# KiCad board ev17.kicad_pcb (continued)
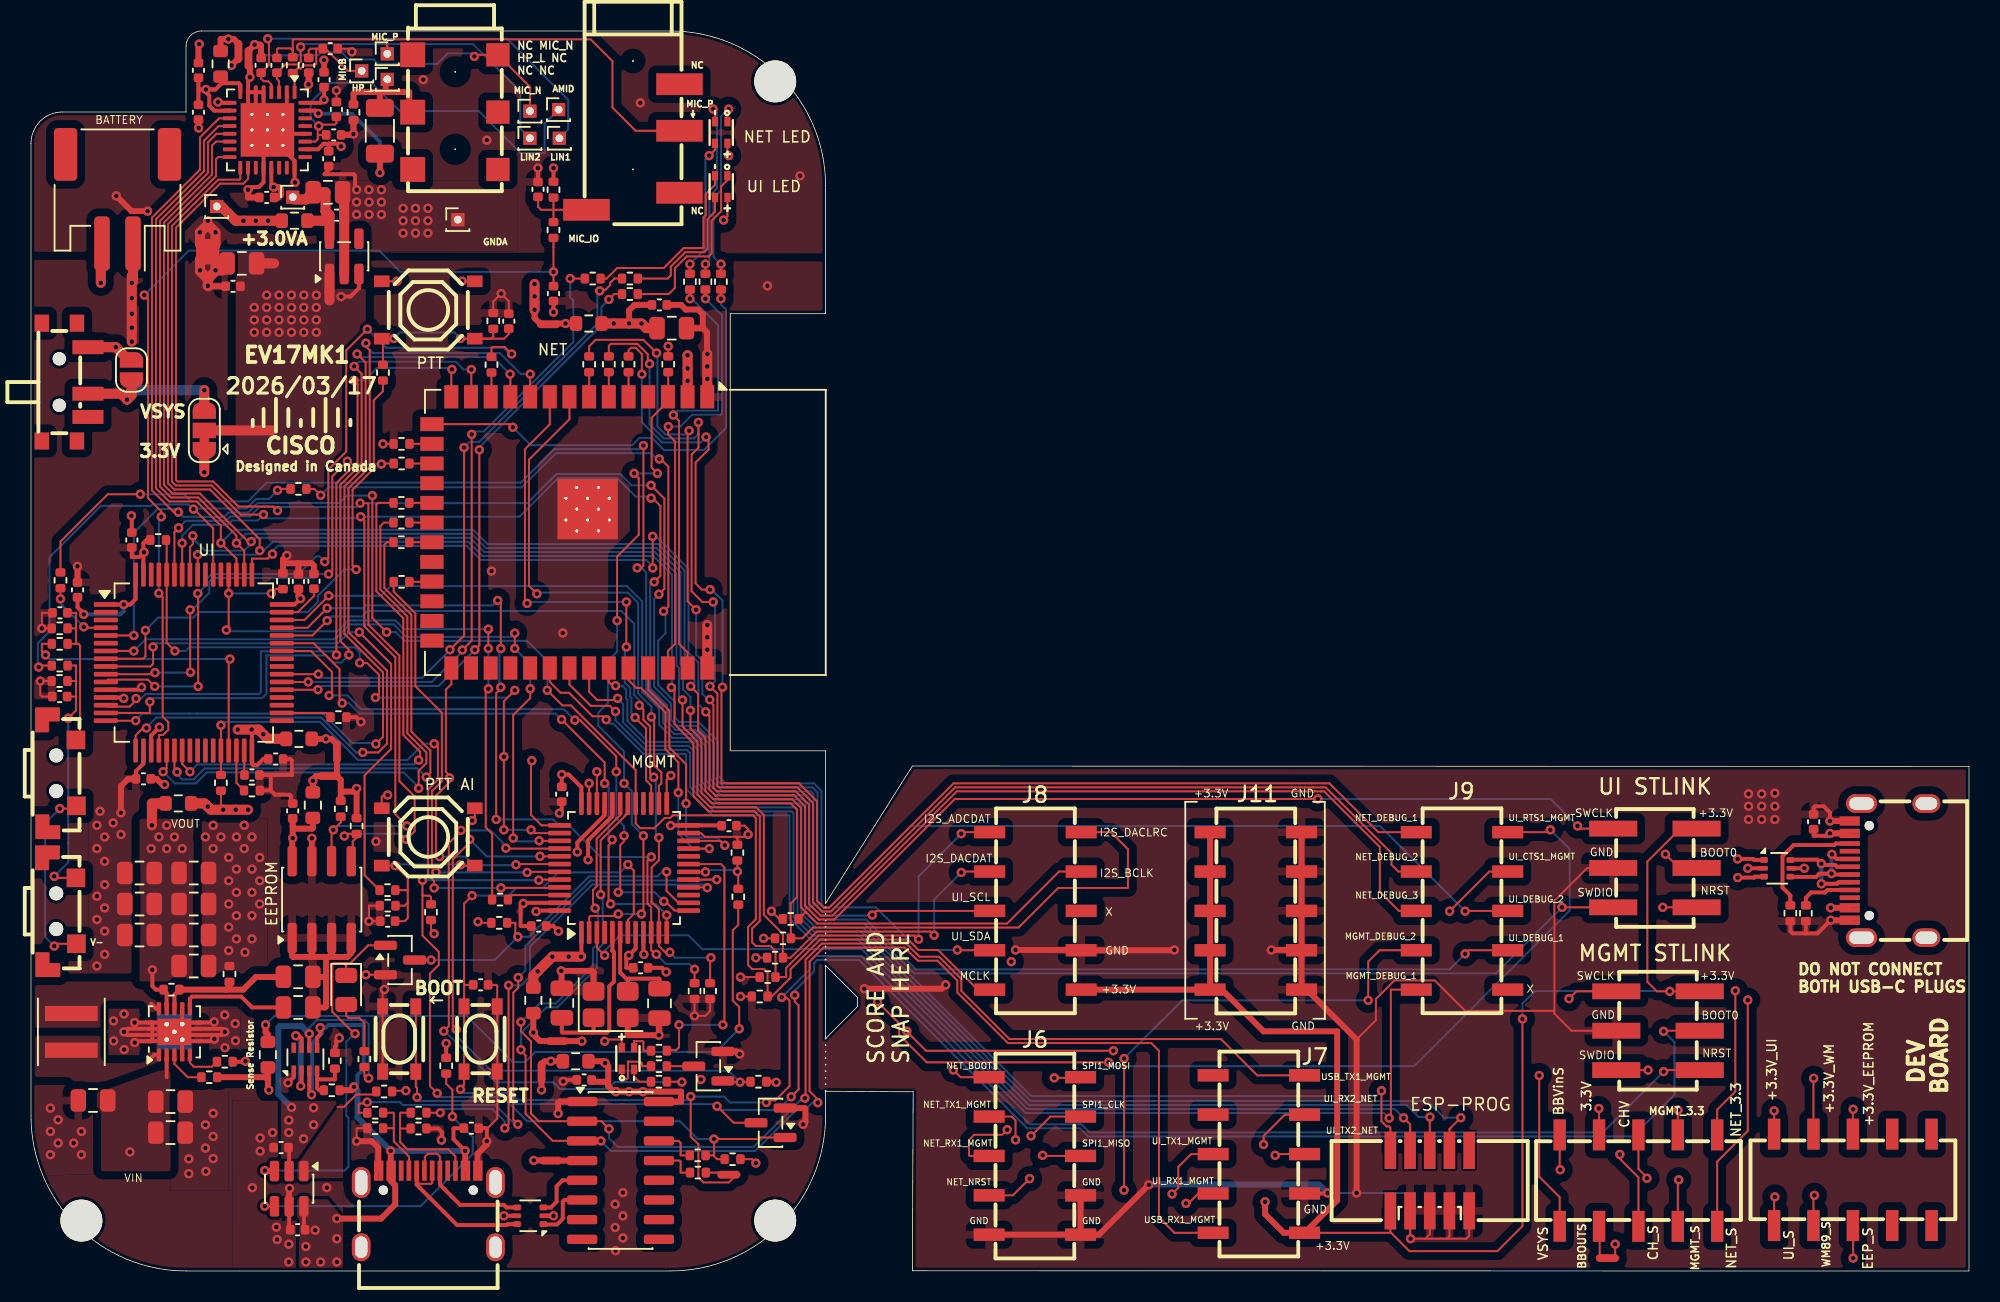
[diagram p0: board, top side]
## Library data of the parts (continued)
U10 = -: Datasheet: https://www.st.com/resource/en/datasheet/stm32f405rg.pdf; Description: STMicroelectronics Arm Cortex-M4 MCU, 1024KB flash, 192KB RAM, 168 MHz, 1.8-3.6V, 51 GPIO, LQFP64; JLCPCB Part #: C15742; ki_fp_filters: LQFP*10x10mm*P0.5mm*
U12 = -: Datasheet: kicad-embed://xc6227.pdf; JLCPCB Part #: C484285; FT Rotation Offset: 90
Y1 = -: Description: Four pin crystal, GND on pins 2 and 4; JLCPCB Part #: C13738; ki_fp_filters: Crystal*

## Footprints (pads in the part's own frame, mm; a bottom-side part is the same pattern mirrored in y, then rotated)
AUDIO-SMD_PJ-242D-SMT
  round 0.1 hole 1.6 unplated: (-2.6,0) (2.4,0)
  rect 1.5x1.5 smd: 2(-3.7,2.75) 4(0,2.75) 5(3.7,2.75)
  rect 1.6x1.6 smd: 3(-3.7,-2.75) 6(0,-2.75) 7(3.7,-2.75)
AUDIO-SMD_PJ-320D
  round 0.1 hole 1.2 unplated: (0,5.55) (0,-1.45)
  rect 3x1.4 smd: R1(3,1.05) R2(3,4.05) S(-3,-4.05) T(3,-2.95)
C_0402_1005Metric
  rrect 0.56x0.62 smd: 1(-0.48,0) 2(0.48,0)
C_0805_2012Metric
  rrect 1x1.45 smd: 1(-0.95,0) 2(0.95,0)
C_1206_3216Metric
  rrect 1.15x1.8 smd: 1(-1.475,0) 2(1.475,0)
Crystal_SMD_3225-4Pin_3.2x2.5mm
  rrect 1.4x1.2 smd: 1(-1.1,-0.85) 2(1.1,-0.85) 3(1.1,0.85) 4(-1.1,0.85)
D_0805_2012Metric
  rrect 0.975x1.4 smd: 1(-0.938,0) 2(0.938,0)
ESP32-S3-WROOM-1
  rect 0.9x0.9 smd: (-2.9,-1.06) (-2.9,-2.46) (-2.9,-3.86) (-1.5,-1.06) (-1.5,-2.46) (-1.5,-3.86) (-0.1,-1.06) (-0.1,-2.46) (-0.1,-3.86)
  rect 1.5x0.9 smd: 1(-8.75,5.26) 2(-8.75,3.99) 3(-8.75,2.72) 4(-8.75,1.45) 5(-8.75,0.18) 6(-8.75,-1.09) 7(-8.75,-2.36) 8(-8.75,-3.63) 9(-8.75,-4.9) 10(-8.75,-6.17) 11(-8.75,-7.44) 12(-8.75,-8.71) 13(-8.75,-9.98) 14(-8.75,-11.25) 27(8.75,-11.25) 28(8.75,-9.98) 29(8.75,-8.71) 30(8.75,-7.44) 31(8.75,-6.17) 32(8.75,-4.9) 33(8.75,-3.63) 34(8.75,-2.36) 35(8.75,-1.09) 36(8.75,0.18) 37(8.75,1.45) 38(8.75,2.72) 39(8.75,3.99) 40(8.75,5.26)
  rect 0.9x1.5 smd: 15(-6.985,-12.5) 16(-5.715,-12.5) 17(-4.445,-12.5) 18(-3.175,-12.5) 19(-1.905,-12.5) 20(-0.635,-12.5) 21(0.635,-12.5) 22(1.905,-12.5) 23(3.175,-12.5) 24(4.445,-12.5) 25(5.715,-12.5) 26(6.985,-12.5)
  round 0.6 hole 0.2: 41(-2.9,-1.76) 41(-2.9,-3.16) 41(-2.2,-1.06) 41(-2.2,-2.46) 41(-2.2,-3.86) 41(-1.5,-1.76) 41(-1.5,-3.16) 41(-0.8,-1.06) 41(-0.8,-2.46) 41(-0.8,-3.86) 41(-0.1,-1.76) 41(-0.1,-3.16)
  rect 3.9x3.9 smd: 41(-1.5,-2.46)
HDR-SMD_6P-P2.54-V-M-R2-C3-LS7.5-2
  rect 1.02x3.1 smd: 1(-2.54,-2.69) 2(-2.54,2.69) 3(0,-2.69) 4(0,2.69) 5(2.54,-2.69) 6(2.54,2.69)
HDR-SMD_10P-P2.54-V-F-R2-C5-LS7.1-1
  rect 0.8x2 smd: 1(-5.08,-2.95) 2(-2.54,-2.95) 3(0,-2.95) 4(2.54,-2.95) 5(5.08,-2.95) 6(5.08,2.95) 7(2.54,2.95) 8(0,2.95) 9(-2.54,2.95) 10(-5.08,2.95)
IDC-SMD_10P-P1.27_X1270WVS-2X05B-6TV01
  rect 0.75x2.4 smd: 1(-2.54,-1.95) 2(-2.54,1.95) 3(-1.27,-1.95) 4(-1.27,1.95) 5(0,-1.95) 6(0,1.95) 7(1.27,-1.95) 8(1.27,1.95) 9(2.54,-1.95) 10(2.54,1.95)
JST_PH_S2B-PH-SM4-TB_1x02-1MP_P2.00mm_Horizontal
  rrect 1x3.5 smd: 1(-1,2.85) 2(1,2.85)
  rrect 1.5x3.4 smd: MP(-3.35,-2.9) MP(3.35,-2.9)
KEY-SMD_4P-L4.2-W3.2-P2.20-LS4.6
  rect 1.05x0.7 smd: 1(-2.1,1.07) 2(2.1,1.07) 3(-2.1,-1.07) 4(2.1,-1.07)
L_Coilcraft_XxL4020
  rect 0.98x3.4 smd: 1(-1.185,0) 2(1.185,0)
LED-ARRAY-SMD_4P-L1.6-W1.5-TL_NH-B1515RGBA
  rect 0.6x0.4 smd: 1(-0.7,0.4) 2(0.7,0.4) 3(0.7,-0.4) 4(-0.7,-0.4)
LQFP-48_7x7mm_P0.5mm
  rrect 1.475x0.3 smd: 1(-4.162,2.75) 2(-4.162,2.25) 3(-4.162,1.75) 4(-4.162,1.25) 5(-4.162,0.75) 6(-4.162,0.25) 7(-4.162,-0.25) 8(-4.162,-0.75) 9(-4.162,-1.25) 10(-4.162,-1.75) 11(-4.162,-2.25) 12(-4.162,-2.75) 25(4.162,-2.75) 26(4.162,-2.25) 27(4.162,-1.75) 28(4.162,-1.25) 29(4.162,-0.75) 30(4.162,-0.25) 31(4.162,0.25) 32(4.162,0.75) 33(4.162,1.25) 34(4.162,1.75) 35(4.162,2.25) 36(4.162,2.75)
  rrect 0.3x1.475 smd: 13(-2.75,-4.162) 14(-2.25,-4.162) 15(-1.75,-4.162) 16(-1.25,-4.162) 17(-0.75,-4.162) 18(-0.25,-4.162) 19(0.25,-4.162) 20(0.75,-4.162) 21(1.25,-4.162) 22(1.75,-4.162) 23(2.25,-4.162) 24(2.75,-4.162) 37(2.75,4.162) 38(2.25,4.162) 39(1.75,4.162) 40(1.25,4.162) 41(0.75,4.162) 42(0.25,4.162) 43(-0.25,4.162) 44(-0.75,4.162) 45(-1.25,4.162) 46(-1.75,4.162) 47(-2.25,4.162) 48(-2.75,4.162)
LQFP-64_10x10mm_P0.5mm
  rrect 1.55x0.3 smd: 1(-5.675,3.75) 2(-5.675,3.25) 3(-5.675,2.75) 4(-5.675,2.25) 5(-5.675,1.75) 6(-5.675,1.25) 7(-5.675,0.75) 8(-5.675,0.25) 9(-5.675,-0.25) 10(-5.675,-0.75) 11(-5.675,-1.25) 12(-5.675,-1.75) 13(-5.675,-2.25) 14(-5.675,-2.75) 15(-5.675,-3.25) 16(-5.675,-3.75) 33(5.675,-3.75) 34(5.675,-3.25) 35(5.675,-2.75) 36(5.675,-2.25) 37(5.675,-1.75) 38(5.675,-1.25) 39(5.675,-0.75) 40(5.675,-0.25) 41(5.675,0.25) 42(5.675,0.75) 43(5.675,1.25) 44(5.675,1.75) 45(5.675,2.25) 46(5.675,2.75) 47(5.675,3.25) 48(5.675,3.75)
  rrect 0.3x1.55 smd: 17(-3.75,-5.675) 18(-3.25,-5.675) 19(-2.75,-5.675) 20(-2.25,-5.675) 21(-1.75,-5.675) 22(-1.25,-5.675) 23(-0.75,-5.675) 24(-0.25,-5.675) 25(0.25,-5.675) 26(0.75,-5.675) 27(1.25,-5.675) 28(1.75,-5.675) 29(2.25,-5.675) 30(2.75,-5.675) 31(3.25,-5.675) 32(3.75,-5.675) 49(3.75,5.675) 50(3.25,5.675) 51(2.75,5.675) 52(2.25,5.675) 53(1.75,5.675) 54(1.25,5.675) 55(0.75,5.675) 56(0.25,5.675) 57(-0.25,5.675) 58(-0.75,5.675) 59(-1.25,5.675) 60(-1.75,5.675) 61(-2.25,5.675) 62(-2.75,5.675) 63(-3.25,5.675) 64(-3.75,5.675)
MountingHole_2.7mm_M2.5
  round 2.7 hole 2.7 unplated: (0,0)
NetTie-2_SMD_Pad0.5mm
  round 0.5 smd: 1(-0.5,0) 2(0.5,0)
NetTie-4_SMD_Pad0.5mm
  round 0.5 smd: 1(-0.5,0.5) 2(0.5,0.5) 3(-0.5,-0.5) 4(0.5,-0.5)
PinHole_1.00mm
  rect 0.85x0.85 hole 0.5: 1(0,0)
QFN-32-1EP_5x5mm_P0.5mm_EP3.45x3.45mm_ThermalVias
  rrect 0.93x0.93 smd: (-1.15,1.15) (-1.15,0) (-1.15,-1.15) (0,1.15) (0,0) (0,-1.15) (1.15,1.15) (1.15,0) (1.15,-1.15)
  rrect 0.875x0.25 smd: 1(-2.438,1.75) 2(-2.438,1.25) 3(-2.438,0.75) 4(-2.438,0.25) 5(-2.438,-0.25) 6(-2.438,-0.75) 7(-2.438,-1.25) 8(-2.438,-1.75) 17(2.438,-1.75) 18(2.438,-1.25) 19(2.438,-0.75) 20(2.438,-0.25) 21(2.438,0.25) 22(2.438,0.75) 23(2.438,1.25) 24(2.438,1.75)
  rrect 0.25x0.875 smd: 9(-1.75,-2.438) 10(-1.25,-2.438) 11(-0.75,-2.438) 12(-0.25,-2.438) 13(0.25,-2.438) 14(0.75,-2.438) 15(1.25,-2.438) 16(1.75,-2.438) 25(1.75,2.438) 26(1.25,2.438) 27(0.75,2.438) 28(0.25,2.438) 29(-0.25,2.438) 30(-0.75,2.438) 31(-1.25,2.438) 32(-1.75,2.438)
  round 0.5 hole 0.2: 33(-1,1) 33(-1,0) 33(-1,-1) 33(0,1) 33(0,0) 33(0,-1) 33(1,1) 33(1,0) 33(1,-1)
  rect 2.5x2.5 smd far side: 33(0,0)
  rect 3.45x3.45 smd: 33(0,0)
R_0402_1005Metric
  rrect 0.54x0.64 smd: 1(-0.51,0) 2(0.51,0)
R_0603_1608Metric
  rrect 0.8x0.95 smd: 1(-0.825,0) 2(0.825,0)
SOIC-8_3.9x4.9mm_P1.27mm
  rrect 1.95x0.6 smd: 1(-2.475,1.905) 2(-2.475,0.635) 3(-2.475,-0.635) 4(-2.475,-1.905) 5(2.475,-1.905) 6(2.475,-0.635) 7(2.475,0.635) 8(2.475,1.905)
SOIC-16_3.9x9.9mm_P1.27mm
  rrect 1.95x0.6 smd: 1(-2.475,4.445) 2(-2.475,3.175) 3(-2.475,1.905) 4(-2.475,0.635) 5(-2.475,-0.635) 6(-2.475,-1.905) 7(-2.475,-3.175) 8(-2.475,-4.445) 9(2.475,-4.445) 10(2.475,-3.175) 11(2.475,-1.905) 12(2.475,-0.635) 13(2.475,0.635) 14(2.475,1.905) 15(2.475,3.175) 16(2.475,4.445)
SolderJumper-2_P1.3mm_Open_RoundedPad1.0x1.5mm
  custom 1x1.5 smd: 1(-0.65,0) 2(0.65,0)
SolderJumper-3_P1.3mm_Bridged12_RoundedPad1.0x1.5mm
  custom 1.05x1.5 smd: 1(-1.3,0) 3(1.3,0)
  rect 1x1.5 smd: 2(0,0)
SOT-23
  rrect 1.475x0.6 smd: 1(-0.938,0.95) 2(-0.938,-0.95) 3(0.938,0)
SOT-23-5
  rrect 1.325x0.6 smd: 1(-1.137,0.95) 2(-1.137,0) 3(-1.137,-0.95) 4(1.137,-0.95) 5(1.137,0.95)
SOT-23-6
  rrect 1.325x0.6 smd: 1(-1.137,0.95) 2(-1.137,0) 3(-1.137,-0.95) 4(1.137,-0.95) 5(1.137,0) 6(1.137,0.95)
SOT-583-8
  rrect 0.67x0.3 smd: 1(-0.74,0.75) 2(-0.74,0.25) 3(-0.74,-0.25) 4(-0.74,-0.75) 5(0.74,-0.75) 6(0.74,-0.25) 7(0.74,0.25) 8(0.74,0.75)
SOT-666
  rrect 0.5x0.375 smd: 1(-0.85,0.537) 3(-0.85,-0.537) 4(0.85,-0.537) 6(0.85,0.537)
  rrect 0.65x0.3 smd: 2(-0.925,0) 5(0.925,0)
SW-SMD_4P-L5.1-W5.1-P3.70-LS6.5-TL_H1.5
  rect 1x0.75 smd: 1(-3,1.85) 2(3,1.85) 3(-3,-1.85) 4(3,-1.85)
SW-SMD_MK-12C02-G020
  round 0.85 hole 0.85 unplated: (-1.5,-0.36) (1.5,-0.36)
  rect 0.9x2 smd: 1(-2.25,1.49) 2(0.75,1.49) 3(2.25,1.49)
  rect 1.1x0.93 smd: 4(3.8,0.78) 5(3.8,-1.49) 6(-3.8,-1.49) 7(-3.8,0.78)
SW-SMD_SHOU_TS36CA-0.6
  round 0.9 hole 0.9 unplated: (-1.15,-0.36) (1.15,-0.36)
  rect 1.2x1.2 smd: 1(2.1,0.94) 2(-2.15,0.91)
  custom 1.61x1.6 smd: 3(-3.45,-0.94)
  custom 1.6x1.61 smd: 4(3.45,-0.91)
Texas_S-PWSON-N10_ThermalVias
  rect 0.28x0.28 smd: 1(-1.76,1) 2(-1.76,0.5) 3(-1.76,0) 4(-1.76,-0.5) 5(-1.76,-1) 6(1.76,-1) 7(1.76,-0.5) 8(1.76,0) 9(1.76,0.5) 10(1.76,1)
  oval 0.85x0.28 smd: 1(-1.475,1) 2(-1.475,0.5) 3(-1.475,0) 4(-1.475,-0.5) 5(-1.475,-1) 6(1.475,-1) 7(1.475,-0.5) 8(1.475,0) 9(1.475,0.5) 10(1.475,1)
  rect 0.23x0.6 smd: 11(-0.6,1.425) 11(-0.6,-1.425) 11(-0.2,1.425) 11(-0.2,-1.425) 11(0.2,1.425) 11(0.2,-1.425) 11(0.6,1.425) 11(0.6,-1.425)
  rect 0.25x0.7 smd: 11(-0.6,1.425) 11(-0.6,-1.425) 11(-0.2,1.425) 11(-0.2,-1.425) 11(0.2,1.425) 11(0.2,-1.425) 11(0.6,1.425) 11(0.6,-1.425)
  round 0.6 hole 0.3: 11(-0.5,0.5) 11(-0.5,-0.5) 11(0,0) 11(0.5,0.5) 11(0.5,-0.5)
  rect 0.65x0.9 smd: 11(-0.435,0.56) 11(-0.435,-0.56) 11(0.435,0.56) 11(0.435,-0.56)
  rect 2.3x2.3 smd far side: 11(-0.001,0)
  rect 1.7x2.15 smd: 11(0,0)
USB-C_SMD-TYPE-C-31-M-12
  round 0.6 hole 0.75 unplated: (-2.9,1.21) (2.9,1.21)
  rect 0.3x1.3 smd: A1(-3.35,2.47) A4(-2.55,2.47) A5(-1.25,2.47) A6(-0.25,2.47) A7(0.25,2.47) A8(1.25,2.47) A9(2.55,2.47) A12(3.35,2.47) B1(3.05,2.47) B4(2.25,2.47) B5(1.75,2.47) B6(0.75,2.47) B7(-0.75,2.47) B8(-1.75,2.47) B9(-2.25,2.47) B12(-3.05,2.47)
  oval 1.2x2 hole 0.8x1.6: S1(-4.33,1.71) S1(4.33,1.71)
  oval 1.2x1.8 hole 0.8x1.4: S1(-4.33,-2.47) S1(4.33,-2.47)

## Nets
+3.0VA: C25.2 C26.1 C28.1 J19.1 R36.2 R52.2 U6.21 U6.26 U6.32
+3.3V: CN1.1 D2.2 D3.2 D5.2 J4.5 J5.5 J7.1 J8.1 J10.9 J11.1 J11.2 J11.3 J11.4 J11.5 JP3.1 NT5.1 NT6.1 NT7.1 NT8.1 NT9.1 NT10.1 R3.2 R16.1 R19.1 R22.2 R25.2 R41.1 R48.2 R75.2 SW4.1 SW4.2 SW5.1 SW5.2 SW6.1 SW7.1
+3.3V_CH340C: C13.1 J10.8 NT2.2 R80.2 U4.16
+3.3V_EEPROM: C38.2 J20.8 R79.2 U8.8
+3.3V_Mgmt: C1.2 C6.2 C8.2 C9.2 J10.7 R77.2 U3.1 U3.9 U3.24 U3.36 U3.48
+3.3V_Net: C51.1 C52.1 J10.6 R76.2 U7.2
+3.3V_UI: C39.1 C40.1 C41.1 C42.1 C43.1 J20.10 R78.2 U10.1 U10.13 U10.19 U10.32 U10.48 U10.64
+3.3V_WM8960: C21.2 C23.2 J20.9 R63.2 U6.8 U6.10
GND: C1.1 C2.1 C3.1 C4.2 C5.2 C6.1 C7.2 C8.1 C9.1 C11.2 C12.2 C13.2 C14.2 C15.2 C16.2 C17.2 C19.2 C20.2 C21.1 C22.2 C23.1 C24.2 C27.2 C29.2 C30.2 C31.2 C35.2 C38.1 C39.2 C40.2 C41.2 C42.2 C43.2 C44.1 C45.1 C46.2 C47.2 C49.2 C50.2 C51.2 C52.2 C53.2 C56.2 CN1.3 CN1.5 CN1.7 CN1.9 J1.A1 J1.A12 J1.B1 J1.B12 J2.1 J4.4 J5.4 J6.5 J6.6 J6.7 J7.2 J8.2 J11.6 J11.7 J11.8 J11.9 J11.10 J22.A1 J22.A12 J22.B1 J22.B12 NT1.1 NT1.3 Q1.2 Q2.2 Q3.2 R1.2 R2.1 R6.2 R7.1 R8.1 R13.2 R23.1 R27.1 R29.2 R30.2 R37.1 R38.1 R39.1 R42.1 R43.1 R47.1 R54.1 R55.2 R61.1 R62.1 R64.2 R65.1 R66.2 R67.2 R68.2 R69.2 SW2.1 SW2.2 SW3.3 SW3.4 U1.5 U2.2 U3.8 U3.23 U3.35 U3.47 U4.1 U5.4 U5.7 U5.11 U6.9 U7.1 U7.40 U7.41 U8.1 U8.2 U8.3 U8.4 U8.7 U9.1 U10.12 U10.18 U10.63 U11.2 Y1.2 Y1.4
GNDA: C10.2 C18.2 C25.1 C26.2 C28.2 C33.2 C37.2 C48.2 C54.2 C55.2 J21.1 JP2.2 NT1.2 NT1.4 R32.1 U6.2 U6.5 U6.6 U6.7 U6.20 U6.24 U6.28 U6.33 U12.2
VBUS: C4.1 C5.1 C56.1 J1.A4 J1.A9 J1.B4 J1.B9 J22.A4 J22.A9 J22.B4 J22.B9 R53.2 U1.6 U2.5 U9.3 U9.5 U11.5
/AMID: C33.1 C55.1 J23.1 U6.27
/Analog_Sense: C10.1 C18.1 J15.1 R52.1 U12.5
/BATTERY_MON: R12.1 R13.1 U3.18
/BB_Vin_Sense: C14.1 C15.1 C16.1 J10.10 R14.2 R18.1 U5.2
/BB_Vout: C22.1 C24.1 C27.1 C29.1 C30.1 C31.1 C35.1 NT4.2 R26.2 R28.2 R48.1 U5.9
/BB_Vout_Sense: J10.2 NT4.1
/BQ_OUT: C12.1 J2.2 R11.1 U1.2 U9.6
/CH340C_Sense: J10.3 NT5.2 R80.1
/CHG_FB: Q2.3 R3.1 U3.14
/D_N: J1.A7 J1.B7 U2.6
/D_P: J1.A6 J1.B6 U2.4
/EEPROM_Sense: J20.3 NT10.2 R79.1
/HP_L: C34.2 CN2.6 J17.1 R32.2
/I2S_ADCDAT: J8.6 R66.1 U6.16 U10.56
/I2S_BCLK: J8.4 R69.1 U6.12 U10.51
/I2S_DACDAT: J8.7 R68.1 U6.14 U10.57
/I2S_DACLRC: J8.5 R67.1 U6.13 U10.50
/LEDA_B: R15.2 U3.19
/LEDA_G: R21.2 U3.40
/LEDA_R: Q1.1 R25.1 U3.41
/LIN1: C32.1 J16.1 U6.4
/LIN2: C36.1 J18.1 U6.3
/MCLK: J8.10 R64.1 U3.29 U6.11 U10.5
/MGMT_BOOT: J4.3 Q3.3 R22.1 U3.44
/MGMT_DEBUG_1: J9.10 U3.3
/MGMT_DEBUG_2: J9.9 U3.25
/MGMT_NRST: C17.1 J4.1 NT3.2 SW3.1 SW3.2 U3.7
/MGMT_Sense: J10.4 NT6.2 R77.1
/MGMT_SWCLK: J4.6 U3.37
/MGMT_SWDIO: J4.2 U3.34
/MGMT_UD_N: U3.32 U11.1
/MGMT_UD_P: U3.33 U11.3
/MIC_IO: C53.1 R81.2 U10.20
/MIC_N: C32.2 CN2.2 J13.1 JP2.1
/MIC_P: C36.2 J3.R1 J12.1 R31.1
/MICBIAS: C37.1 C48.1 J14.1 R31.2 U6.1
/NET_BOOT: J6.1 U3.42 U7.27
/NET_CTS1_MGMT: U3.27 U7.9
/NET_DEBUG_1: R70.1 U7.5
/NET_DEBUG_2: R71.1 U7.6
/NET_DEBUG_3: R72.1 U7.7
/NET_LED_B: R33.1 U7.39
/NET_LED_G: R35.1 U7.38
/NET_LED_R: R34.1 U7.15
/NET_MTCK: CN1.4 U7.32
/NET_MTDI: CN1.8 U7.34
/NET_MTDO: CN1.6 U7.33
/NET_MTMS: CN1.2 U7.35
/NET_NRST: J6.4 R29.1 U3.2 U7.3
/NET_READY: R50.1 U7.12
/NET_RTS1_MGMT: U3.26 U7.8
/NET_RX1_MGMT: J6.3 U3.21 U7.36
/NET_Sense: J10.5 NT7.2 R76.1
/NET_STAT: R4.2 U7.23
/NET_TX1_MGMT: J6.2 U3.22 U7.37
/PTT_AI_BTN: R58.1 U10.9
/PTT_BTN: R57.1 U10.8
/RCC_OSC_IN: C2.2 U3.5 Y1.1
/RCC_OSC_OUT: C3.2 U3.6 Y1.3
/SPI1_CLK: J6.9 R44.1 U10.21
/SPI1_MISO: J6.8 R45.1 U10.22
/SPI1_MOSI: J6.10 R46.1 U10.23
/UD_N: U2.1 U4.6
/UD_P: U2.3 U4.5
/UI_BOOT0: J5.3 R55.1 U3.38 U10.60
/UI_BOOT1: R41.2 U3.45 U10.28
/UI_CTS1_MGMT: J9.4 R38.2 U3.11 U10.44
/UI_CTS2_NET: U7.14 U10.14
/UI_DEBUG_1: R74.2 U10.4
/UI_LED_B: R56.1 U10.39
/UI_LED_G: R60.1 U10.38
/UI_LED_R: R59.1 U10.37
/UI_NRST: J5.1 U3.39 U10.7
/UI_READY: R49.1 U7.17
/UI_RTS1_MGMT: J9.5 R39.2 U3.10 U10.45
/UI_RTS2_NET: U7.13 U10.15
/UI_RX1_MGMT: J7.9 U3.12 U10.43
/UI_RX2_NET: J7.4 U7.10 U10.17
/UI_SCL1: J8.8 R16.2 U6.17 U8.6 U10.58
/UI_SDA1: J8.9 R19.2 U6.18 U8.5 U10.59
/UI_Sense: J20.1 NT8.2 R78.1
/UI_STAT: R5.2 R54.2 U10.52
/UI_SWCLK: J5.6 U10.49
/UI_SWDIO: J5.2 U10.46
/UI_TX1_MGMT: J7.8 U3.13 U10.42
/UI_TX2_NET: J7.3 U7.11 U10.16
/USB_CC1_DETECT: R9.1 U3.16
/USB_CC2_DETECT: R10.1 U3.17
/USB_DTR: R40.2 U4.13
/USB_RTS: R51.1 U4.14
/USB_RX1_MGMT: J7.10 U3.30 U4.3
/USB_TX1_MGMT: J7.5 U3.31 U4.2
/VAIN: C7.1 C11.1 JP3.2 U12.1 U12.3
/VOLUME+: R17.1 U10.29
/VOLUME-: R24.1 R73.2 U10.54
/WM8960_Sense: J20.2 NT9.2 R63.1
VSYS: J10.1 JP1.2 JP3.3 R12.2 R14.1 SW1.2
Net-(C46-Pad1): C46.1 R57.2 R61.2 SW4.3 SW4.4
Net-(C47-Pad1): C47.1 R58.2 R62.2 SW5.3 SW5.4
Net-(C49-Pad1): C49.1 R17.2 R23.2 SW6.2
Net-(C50-Pad1): C50.1 R24.2 R37.2 SW7.2
Net-(C54-Pad1): C54.1 J3.S R36.1 R81.1
Net-(D1-A): D1.2 R11.2
Net-(D1-K): D1.1 Q2.1 U1.3
Net-(D2-BK): D2.3 R33.2
Net-(D2-GK): D2.4 R35.2
Net-(D2-RK): D2.1 R34.2
Net-(D3-BK): D3.3 R56.2
Net-(D3-GK): D3.4 R60.2
Net-(D3-RK): D3.1 R59.2
Net-(D5-BK): D5.3 R15.1
Net-(D5-GK): D5.4 R21.1
Net-(D5-RK): D5.1 R20.1
Net-(J1-CC1): J1.A5 R8.2 R10.2
Net-(J1-CC2): J1.B5 R7.2 R9.2
Net-(J9-Pin_2): J9.2 R74.1
Net-(J9-Pin_3): J9.3 R73.1
Net-(J9-Pin_6): J9.6 R70.2
Net-(J9-Pin_7): J9.7 R71.2
Net-(J9-Pin_8): J9.8 R72.2
Net-(J22-CC1): J22.A5 R65.2
Net-(J22-CC2): J22.B5 R2.2
Net-(J22-D+-PadA6): J22.A6 J22.B6 U11.4
Net-(J22-D--PadA7): J22.A7 J22.B7 U11.6
Net-(JP1-A): JP1.1 SW1.1 U9.2 U9.7
Net-(NT3-Pad1): NT3.1 R40.1
Net-(Q1-D): Q1.3 R20.2
Net-(Q3-G): Q3.1 R51.2 R75.1 SW2.3 SW2.4
Net-(U1-ISET): R1.1 U1.4
Net-(U1-TS): R6.1 U1.1
Net-(U3-PB7): R4.1 U3.43
Net-(U3-PB9): R5.1 U3.46
Net-(U4-V3): NT2.1 U4.4
Net-(U5-EN): R18.2 U5.3
Net-(U5-FB): C20.1 R26.1 R27.2 U5.8
Net-(U5-L1): L2.1 U5.1
Net-(U5-L2): L2.2 U5.10
Net-(U5-PG): R28.1 U5.5
Net-(U5-VAUX): C19.1 U5.6
Net-(U6-HP_L): C34.1 U6.31
Net-(U7-IO11): R46.2 U7.19
Net-(U7-IO12): R44.2 U7.20
Net-(U7-IO13): R45.2 U7.21
Net-(U7-IO46): R30.1 U7.16
Net-(U9-PR1): R47.2 R53.1 U9.4
Net-(U10-PB11): R42.2 U10.30
Net-(U10-PB13): R43.2 U10.34
Net-(U10-PC2): R49.2 U10.10
Net-(U10-PC3): R50.2 U10.11
Net-(U10-VCAP_1): C44.2 U10.31
Net-(U10-VCAP_2): C45.2 U10.47

Pads without a net: CN1 10; CN2 3 4 5 7; J1 A8 B8 S1; J2 MP; J3 R2 T; J7 6 7; J8 3; J9 1; J20 4 5 6 7; J22 A8 B8 S1; SW1 3 4 5 6 7; SW6 3 4; SW7 3 4; U3 4 15 20 28; U4 7 8 9 10 11 12 15; U6 15 19 22 23 25 29 30; U7 4 18 22 24 25 26 28 29 30 31; U9 8; U10 2 3 6 24 25 26 27 33 35 36 40 41 53 55 61 62; U12 4

## Via types
v1: diameter 0.6, hole 0.3, Top to Bottom, 679 vias

## Routing (per net, layer and track width the routed paths; a pad name or vN(x,y) marks a point on that pad's centre or on a via; arc(x,y) is an arc through that point)
+3.0VA: length 13.3
  Top w0.254: 19.2,72.73 18.87,72.73 18.51,72.37 U6.26 ; 19.2,72.73 C26.1 ; 19.2,72.73 19.79,72.73 19.97,72.56 v1(20,72.56) ; R36.2 v1(33.7,71.16) ; U6.32 18.7,75.37 v1(18.9,75.57) C25.2 ; v1(15.65,69.93) 15.5,70.08 U6.21
  Top w0.381: v1(15.65,69.93) 15.98,69.93 16.13,69.78 16.13,69.44 15.96,69.26 C28.1
  Top w0.65: R52.2 v1(13.7,67.76) 13.2,67.76 12.28,68.68 J19.1
  vias: v1(14.5,67.76) v1(15.3,67.76)
+3.3V: length 324.1
  Top w0.127: J5.5 106.38,28.54 104.26,26.42 104.26,18.66 104.87,18.04 v1(105.7,18.04) J4.5 ; v1(1.5,20.96) 1.65,21.11 SW7.1 ; R41.1 12.25,29.91 v1(12.4,29.76) ; v1(1.86,29.83) 2.75,29.83 SW6.1 ; v1(28.45,29.06) 28.62,29.24 SW5.2 ; CN1.1 87.68,2.51 87.73,2.46 ; v1(28.83,22.53) 28.9,22.46 R3.2 ; 87.73,2.46 J7.1 ; 87.73,2.46 88.91,1.28 94.58,1.28 96.2,2.9 v1(96.2,16.26) ; v1(46.75,6.96) 46.5,7.21 R75.2 ; J10.9 101.14,10.47 v1(101.12,10.49)
  Top w0.13: D2.2 44.92,72.05 v1(45,71.96) ; D5.2 38.1,14.91 38.08,14.93 37.11,14.93 v1(37.01,14.83) ; SW4.1 22.63,63.86 v1(23.6,63.86) ; v1(27.8,63.86) 27.81,63.85 SW4.2 ; v1(44.68,67.8) 44.92,68.05 D3.2 ; v1(26,21.76) 25.8,21.96 R22.2 ; SW5.1 22.62,30.59 22.75,30.71 v1(23,30.71)
  Top w0.254: R25.2 48.03,12.21 v1(48.07,12.17)
  Top w0.381: 19.98,30.93 R16.1 ; 19.98,30.93 20.8,30.93 v1(21,31.13) R19.1 ; 19.98,30.93 19.98,31.68 NT10.1 NT8.1 ; NT6.1 35.52,14.83 v1(35.53,14.83) ; NT9.1 13.33,78.18 v1(12.93,77.78) ; v1(79.6,4.46) 79.6,3.66 80.8,2.46 J7.1 84.25,4.57 84.25,15.46 79.5,15.46 76.81,18.15 J11.5 ; J11.5 J8.1 ; J11.5 J11.4 J11.3 J11.2 J11.1 ; NT7.1 32.48,61.48 v1(32.48,62.02) ; NT5.1 v1(32.93,11.68)
  Top w0.65: JP3.1 v1(11.18,51.53) ; v1(32.48,63.68) v1(32.48,62.02) ; R48.2 11.19,30.17 v1(11.4,29.96) 11.6,29.76 v1(12.4,29.76) v1(13.2,29.76) v1(14,29.76)
  In2.Cu w0.13: 41.72,61.69 41.72,64.89 44.64,67.8 v1(44.68,67.8) 44.68,71.64 v1(45,71.96)
  In2.Cu w0.381: 49.28,18.49 51,20.21 52.63,20.21 57.35,15.5 57.35,11.63 66.51,2.46 78.75,2.46 79.6,3.31 v1(79.6,4.46)
  In2.Cu w0.65: 6.53,54.68 8.43,56.58 8.43,69.68 12.93,74.18 v1(12.93,77.78)
  In4.Cu w0.127: v1(11.4,29.96) 11.62,30.18 16.78,30.18 17,29.96 17,29.96 32.54,14.43 36.61,14.43 43.59,14.43 44.28,13.74 45.27,13.74 45.22,13.79 45.22,14.2 45.51,14.49 45.92,14.49 46.21,14.2 46.21,13.79 46.15,13.74 48.66,13.74 49.5,12.89 58.35,12.89 59.18,13.72 61.85,13.72 64.44,11.13 100.14,11.13 100.79,10.49 v1(101.12,10.49)
  Bottom w0.127: v1(96.2,16.26) 96.2,17.26 97,18.06 105.68,18.06 v1(105.7,18.04) ; v1(1.86,29.83) 0.91,28.89 0.91,21.55 v1(1.5,20.96)
  vias: v1(32.48,62.88)
+3.3V_CH340C: length 88.8
  Top w0.127: v1(104.23,5.98) 104.23,6.03 103.68,6.58 J10.8
  Top w0.254: 33.02,7.13 NT2.2
  Top w0.381: 37.23,12.23 37.23,13.22 v1(37.03,13.42) 36.91,13.53 R80.2 ; 37.23,12.23 37.23,11.93 37.59,11.57 v1(37.73,11.57) v1(38.58,11.57) v1(39.47,11.57) 41.92,11.57 41.93,11.56 41.93,10.93 41.93,10.93 U4.16 ; 37.23,12.23 37.21,12.21 36.23,12.21 36.16,12.28 ; v1(32.43,7.13) 33.02,7.13
  In2.Cu w0.65: v1(32.43,7.13) 36.23,7.13
  In4.Cu w0.127: v1(104.23,5.98) 104.18,5.98 103.13,7.03 98.42,7.03 98.23,6.83 64.29,6.83 59.01,12.12 49.18,12.12 48.34,12.97 43.96,12.97 43.27,13.65 37.26,13.65 v1(37.03,13.42)
+3.3V_EEPROM: length 116.5
  Top w0.127: J20.8 117.51,10.41 v1(117.53,10.43)
  Top w0.13: 16.75,26.53 16.84,26.44
  Top w0.381: 16.88,28.68 17.02,28.54 18.13,28.54 18.18,28.59 R79.2 ; 16.88,28.68 v1(16.88,27.93) 16.84,27.9 16.84,26.44 ; 16.88,28.68 C38.2
  In3.Cu w0.127: v1(117.53,10.43) 116.98,10.98 63.18,10.98 59.93,14.23 48.48,14.23 47.39,13.14 47.39,13.14 45.94,11.69 43.18,11.69 42.18,12.68 39.85,12.68 36.82,15.71 32.8,15.71 27.95,20.56 24.78,20.56 17.4,27.93 v1(16.88,27.93)
+3.3V_Mgmt: length 100.4
  Top w0.127: J10.7 106.22,10.12 106.23,10.13 v1(106.23,10.38)
  Top w0.254: 44.54,28.66 44.45,28.75 U3.24 41.27,28.75 v1(41.26,28.74) ; U3.9 39.5,20.46 v1(39.53,20.43) ; U3.36 35.5,31.21 34.68,32.03 v1(34.23,32.03) C9.2 ; C1.2 40.7,19.56 v1(40.97,19.29) ; U3.1 35.5,20.3 v1(35.48,20.28) ; v1(32.58,23.2) 32.64,23.25 U3.48 ; C8.2 33.69,22.25 v1(34.02,21.93)
  Top w0.65: v1(35.48,20.28) v1(33.63,20.28) v1(32.68,19.33) 32.4,19.05 R77.2
  In2.Cu w0.381: v1(40.97,19.29) 40.59,19.29 39.53,20.36 v1(39.53,20.43)
  In4.Cu w0.127: v1(32.68,19.33) 35.05,16.96 45.65,16.96 48.1,14.51 48.98,14.51 49.82,13.67 58.03,13.67 58.86,14.5 67.3,14.5 69.89,11.91 85.96,11.91 87.16,13.11 103.46,13.11 106.18,10.38 v1(106.23,10.38)
  vias: v1(34.68,20.28)
+3.3V_Net: length 124.1
  Top w0.127: J10.6 108.76,10.41 109.93,11.58 v1(109.93,18.08)
  Top w0.381: v1(38.58,61.13) 38.58,61.98 38.93,62.33 C52.1
  Top w0.65: U7.2 v1(42.35,57.43) v1(42.35,58.23) 42.35,59.08 v1(42.35,59.08) ; C51.1 39.68,60.83 v1(39.38,61.13) v1(38.58,61.13) v1(37.58,61.13) R76.2
  In4.Cu w0.127: v1(37.58,61.13) 38.38,60.34 38.38,43.84 37.91,43.37 37.91,42.66 40.78,39.78 40.78,36.27 45.73,31.32 45.73,27.53 50.57,22.69 51.15,22.69 54.88,18.96 109.05,18.96 v1(109.93,18.08)
+3.3V_UI: length 135.9
  Top w0.13: v1(112.43,10.33) J20.10
  Top w0.254: C40.1 3,42.82 3.4,42.42 v1(3.4,42.36) ; v1(8.28,35.08) 7.75,34.55 U10.19 ; U10.13 5.92,37 v1(5.98,36.95) ; U10.1 v1(5.98,43) 6.4,43 6.75,43.35 U10.64 ; v1(14.23,34.93) 14.25,34.91 U10.32 14.25,32.71 14.33,32.63 14.58,32.63 14.98,33.03 C39.1 ; v1(17.38,43.38) 17,43 U10.48 ; 7.75,31.77 C41.1 ; v1(6.48,48.73) 6.5,48.71 C42.1
  Top w0.381: C41.1 8.1,31.75 8.47,31.38 v1(8.62,31.38) ; v1(17.38,43.38) 17.25,43.51 C43.1
  Top w0.65: v1(13.33,34.93) 14.68,34.93 15.28,34.33 R78.2
  In2.Cu w0.381: v1(8.62,31.38) 8.47,31.38 7.9,31.96 7.9,32.47 8.28,32.85 v1(8.28,35.08)
  In4.Cu w0.13: v1(112.43,10.33) 109.04,13.72 83.98,13.72 71.56,13.72 70.27,15.01 58.64,15.01 57.82,14.19 50.03,14.19 46.01,18.21 39.86,18.21 37.21,20.86 36.15,20.86 31.38,25.63 29.81,25.63 23.11,32.33 17.28,32.33 v1(14.98,34.63)
  Bottom w0.254: v1(5.98,43) 5.98,42.58 5.76,42.36 v1(3.4,42.36)
+3.3V_WM8960: length 160.6
  Top w0.127: J20.9 114.97,12.42 v1(114.98,12.43)
  Top w0.254: 12.3,76.63 13.4,76.63 13.5,76.53 U6.8 ; 12.3,76.63 12.3,77.24 ; 12.3,76.63 11.9,76.23 ; 11.5,75.19 11.69,75 ; 11.5,75.19 11.83,74.86 12.81,74.86 U6.10 ; 11.5,75.19 11.5,75.83 11.28,76.05 v1(11.28,76.23) 11.9,76.23 ; 10.8,76.23 11.9,76.23 ; 10.8,76.23 C23.2 ; 10.8,76.23 C21.2
  In4.Cu w0.127: v1(11.28,76.23) 11.34,76.17 13.44,76.17 14.81,74.8 14.81,74.44 15.11,74.13 15.58,74.13 15.81,73.91 15.81,72.29 23.11,64.99 23.11,63.65 28.1,58.66 29.65,58.66 29.92,58.38 29.92,50.64 35.57,44.99 35.57,32.28 35.34,32.05 35.34,28.79 36.9,27.23 38.79,27.23 41.94,24.08 42.03,24.08 46.93,19.18 46.93,18.03 50.25,14.71 57.61,14.71 58.43,15.53 58.64,15.53 70.48,15.53 71.78,14.24 113.17,14.24 v1(114.98,12.43)
GND: length 411.9
  Top w0.127: 41.1,59.76 v1(41.1,59.66) R29.2 ; C17.2 30,18.46 30.07,18.39 SW3.4 ; R67.2 v1(47.25,21.46) ; 98.26,16.78 98.26,16.61 99.36,15.5 J4.4 ; 98.26,16.78 98.26,23.89 100.37,26 J5.4 ; 98.26,16.78 92.51,16.78 90.54,18.75 87.94,18.75 86.74,17.55 86.74,16.18 85.5,14.94 ; R8.1 21.05,9.21 21,9.16 v1(21,8.38) ; v1(47.76,23.21) 48.26,22.71 R69.2 ; 46.13,28.63 46.26,28.5 v1(46.26,28.16) 46.2,28.16 46.05,28.01 45.43,28.01 ; C50.2 0.7,37.06 0.6,37.16 v1(0.6,38.06) R37.1 ; 45.43,28.01 43.46,28.01 43.22,28.25 U3.23 ; 45.43,28.01 45.56,27.88 R13.2 ; v1(36,31.46) U3.35 ; v1(21.8,22.56) 21.8,23.56 21.81,23.57 R62.1 ; v1(24.18,11.63) 23.34,11.63 R6.2 ; R68.2 v1(46.75,20.21) ; C49.2 0.7,42.46 0.7,42.46 v1(0.7,41.46) R23.1 ; SW2.2 22.68,18.04 v1(22.8,18.16) ; R30.2 v1(22.7,53.36) ; R66.2 v1(45.76,18.96) ; R64.2 v1(45.76,17.71) ; R38.1 43.8,16.76 43.5,16.46 v1(42.8,16.46) R39.1
  Top w0.13: 29.4,9.16 30.07,9.83 SW3.3 SW3.4 ; 46.13,28.63 46.03,28.73 C6.1 ; v1(21.6,19.11) 22.4,19.11 ; R61.1 29.82,62.56 v1(30.33,63.06) 30.81,62.57 C46.2 ; CN1.3 88.95,2.11 v1(88.98,2.08) 89.93,2.08 ; SW2.2 SW2.1 ; 89.93,2.08 90.22,2.37 CN1.5 ; 89.93,2.08 91.33,2.08 ; v1(21.8,22.56) 21.81,22.57 C47.2 22.49,22.6 ; 91.33,2.08 91.49,2.24 CN1.7 ; 91.33,2.08 92.58,2.08 92.76,2.26 CN1.9 ; 22.49,23.71 22.49,23.71
  Top w0.254: C44.1 15.46,32 ; 15.46,32 16.83,32 16.83,32.93 16.73,33.03 C39.2 ; 15.46,32 15.46,31 ; v1(7.28,46.37) 6.97,46.06 6.5,46.06 C42.2 ; v1(7.28,46.37) 7.25,46.34 U10.63 ; v1(7.28,46.37) 7.25,46.41 7.25,46.96 7.45,47.16 R55.2 ; C56.2 114.98,29.88 115.08,29.98 115.63,29.98 116.03,29.58 v1(116.03,29.03) ; U5.11 12.3,15.23 v1(12.5,15.43) 12.3,15.63 U5.11 ; C5.2 29.35,9.21 29.4,9.16 v1(29.4,8.37) ; U2.2 v1(33.7,3.56) ; U5.7 9.75,15.92 U5.11 ; U10.18 7.25,32.73 6.77,32.25 C41.2 ; C8.1 31.61,22.25 31.58,22.28 31.58,23.54 v1(31.75,23.71) 31.79,23.75 U3.47 ; 15.46,31 R42.1 ; 15.46,31 15.73,30.73 16.68,30.73 16.78,30.63 16.78,30.16 ; v1(6.69,14.74) 6.78,14.83 U5.11 U5.11 v1(6.68,16.03) ; R65.1 114.48,21.78 ; 114.48,21.78 113.63,21.78 113.48,21.93 R2.1 ; 114.48,21.78 115.23,21.78 v1(116.08,22.63) ; U11.2 v1(110.73,25.98) ; v1(11.81,16.07) 11.77,16.03 U5.11 ; v1(16.58,12.14) 16.95,12.51 U9.1 ; U5.11 6.2,15.23 v1(6,15.43) 6.2,15.63 U5.11 ; C1.1 38.4,19.56 38.4,20.21 v1(38.56,20.36) 39,20.81 U3.8 ; J7.2 83.6,5 v1(83.63,5.03) ; C9.1 34.23,29.68 v1(34.08,29.53) ; v1(34.33,12.23) 34.42,12.33 C13.2 ; R7.1 26.27,9.19 26.52,8.94 26.52,8.5 v1(26.47,8.45) ; U10.12 7.13,37.5 7.15,37.52 7.15,37.64 v1(7.13,37.66) ; 12,14.93 11.9,14.83 U5.11 ; 5.75,31.21 5.8,31.16 ; U6.9 12.31,75.37 12.26,75.42 v1(12.06,75.42) ; R1.2 v1(26.78,14.68) ; U5.4 U5.11 ; C53.2 v1(33.7,61.86) ; v1(21.28,35.43) 20.98,35.73 R43.1 ; R47.1 19.6,14.46 19.68,14.54 19.68,14.83 v1(19.88,15.03) ; U1.5 16.65,2.73
  Top w0.381: 20.99,8.36 v1(21,8.38) 21.99,8.38 22.4,7.96 22.4,6.65 ; J6.7 J6.6 ; J6.6 J6.5 ; J6.6 68.88,2.34 v1(72.1,5.56) ; U8.2 18.11,20.28 18.1,20.26 ; v1(116.03,29.03) 117.28,29.03 ; 9.12,15.43 U5.11 ; 9.12,15.43 U5.11 9.69,14.99 U5.11 U5.11 9.12,15.43 ; U8.3 19.39,20.45 19.2,20.26 ; J11.10 J11.9 J11.8 J11.7 ; C41.2 6.27,31.75 5.8,31.28 5.8,30.67 ; v1(16.5,46.16) 16.25,45.91 16.25,45.66 ; 12,65.16 NT1.3 12.62,65.26 12.72,65.16 ; Q1.2 45.5,14.16 45.66,14 v1(45.71,14) ; J11.7 J11.6 82.28,18.15 85.5,14.94 v1(85.5,5.03) ; J11.7 81.93,20.71 v1(80,20.71) ; v1(59,18.46) 58.75,18.21 v1(53.75,18.21) ; 18.1,20.26 16.9,20.26 16.84,20.32 U8.1 ; 18.1,20.26 19.03,20.26 ; C45.1 18.25,45.51 18.1,45.66 17.2,45.66 ; 19.03,18.86 18.93,18.96 18.2,18.96 C20.2 ; 19.03,18.86 19.03,20.26 ; 19.03,18.86 19.03,17.06 18.97,17 C19.2 ; 17.2,45.66 17.25,45.61 C43.2 ; 17.2,45.66 16.25,45.66 ; 19.2,20.26 20.4,20.26 20.66,20.52 U8.4 ; 19.2,20.26 19.03,20.26 ; v1(34,10.16) 34,10.86 34.07,10.93 U4.1 ; C21.1 10.8,73.76 v1(10.81,73.75) ; 43.33,60.83 43.33,61.73 43.03,62.03 42.23,62.03 41.93,62.33 C52.2 ; 43.33,60.83 43.6,60.56 43.6,59.18 v1(43.62,59.16) ; 43.33,60.83 C51.2 ; v1(16.68,5.33) 16.65,5.3 U1.5 ; v1(29.4,8.37) 29.4,8.16 28.8,7.56 28.8,6.65 ; v1(5.8,29.56) 5.8,30.67 ; 5.8,30.67 5.8,31.16 ; v1(73.75,20.71) 73.73,20.69 J8.2 67.72,20.71 v1(63.5,20.71) ; 14.76,31.97 C44.1 ; C40.2 v1(3,45.46) ; 16.25,45.66 R54.1 16.3,44.96 ; C7.2 11.43,63.53 ; Y1.2 38.49,15.28 38.55,15.21 v1(40.5,15.21) 40.5,16.28 C3.1 ; v1(11.9,64.56) 12.03,64.69 12.28,64.69 12.47,64.88 12.47,65.01 C11.2 12.72,64.94 ; 34.45,18.02 34.45,18.03 ; C2.1 34.22,18.25 34.22,19.34 v1(34.2,19.36) 36.2,19.36 36.3,19.26 36.29,19.25 Y1.4 36.27,18.02 ; C23.1 10.8,79.11 v1(10.85,79.16) ; v1(18.11,27.92) 18.11,26.44 ; v1(116.08,22.63) 117.33,22.63 ; v1(49.8,9.46) 49.95,9.61 49.95,10.46 49.9,10.51 Q3.2
  Top w0.65: J2.1 6.58,64.26 ; 6.58,64.26 6.58,63.83 v1(6.5,63.75) ; 6.58,64.26 6.5,64.18 v1(6.5,62.76) v1(6.5,61.75) v1(6.5,60.86) v1(6.5,59.96) ; 11.4,64.01 10.9,64.51 v1(10.9,64.56) NT1.1 NT1.3 v1(11.9,64.56) 11.9,64.51 11.4,64.01 ; 11.4,64.01 v1(11.4,63.56) 11.43,63.53 ; v1(43.62,41.68) U7.40 ; v1(43.62,59.16) U7.1 ; C11.2 12.65,64.87 12.34,64.56 11.9,64.56
  In1.Cu w0.381: v1(73.75,20.71) v1(80,20.71) ; v1(21,8.38) 27.76,8.38 27.76,8.37 v1(29.4,8.37) 32.22,8.37 v1(34,10.16) ; v1(116.08,22.63) 116.16,22.63 116.78,23.25 116.78,28.36 116.11,29.03 v1(116.03,29.03) 115.93,29.03 112.88,25.98 v1(110.73,25.98) ; v1(46.75,20.21) 51.75,20.21 v1(53.75,18.21) ; v1(59,18.46) 61.25,20.71 v1(63.5,20.71)
  In1.Cu w0.65: v1(10.85,79.16) 10.85,78.71 12.06,77.51 v1(12.06,75.42) 12.06,74.96 6.5,69.4 v1(6.5,63.75) 6.76,64.01 10.95,64.01 v1(11.4,63.56) ; 4.15,37.7 7.09,37.7 v1(7.13,37.66)
  In4.Cu w0.381: v1(80,20.71) 84.05,24.76 110.34,24.76 110.73,25.15 v1(110.73,25.98)
  Bottom w0.127: v1(83.63,5.03) v1(85.5,5.03) 88.98,5.03 v1(88.98,2.08)
  Bottom w0.381: v1(72.1,5.56) 72.12,5.59 83.08,5.59 v1(83.63,5.03)
  vias: v1(1.25,10.5) v1(1.25,9) v1(1.25,7.5) v1(1.75,9.75) v1(1.75,8.25) v1(2.75,8.25) v1(3.25,9) v1(3.25,7.5) v1(4.25,28.75) v1(4.25,27.25) v1(4.25,24.18) v1(4.25,22.68) v1(4.25,19.68) v1(4.45,29.66) v1(4.75,28) v1(4.75,26.43) v1(4.75,24.93) v1(4.75,23.43) v1(4.75,21.93) v1(4.75,20.43) v1(5.3,28.91) v1(5.32,16.13) v1(5.33,14.84) v1(5.8,28.16) v1(6,16.58) v1(6.01,14.29) v1(10.18,7.23) v1(10.18,6.28) v1(11.25,28) v1(11.25,9.43) v1(11.25,7.93) v1(11.28,6.43) v1(11.75,28.75) v1(11.75,27.25) v1(11.83,14.96) v1(11.75,10.18) v1(11.75,8.68) v1(11.75,7.25) v1(12.25,28) v1(12.49,16.52) v1(12.51,14.41) v1(12.75,26.68) v1(12.75,25.18) v1(12.75,23.68) v1(12.75,22.18) v1(12.75,20.68) v1(13.25,28) v1(13.25,25.93) v1(13.25,24.43) v1(13.25,22.93) v1(13.25,21.43) v1(13.17,15.96) v1(13.19,14.86) v1(13.75,28.75) v1(13.75,27.25) v1(13.8,20.56) v1(14.25,28) v1(14.25,25.93) v1(14.25,24.43) v1(14.25,22.93) v1(14.25,21.43) v1(14.28,5.38) v1(14.75,26.68) v1(14.75,25.18) v1(14.75,23.68) v1(14.78,8.58) v1(14.78,7.73) v1(15.58,8.93) v1(15.83,2.83) v1(15.88,2.03) v1(16.63,1.73) v1(16.63,0.58) v1(19.08,5.38) v1(22.25,27.71) v1(29.7,45.16) v1(34.3,41.16) v1(37.68,4.31) v1(37.68,2.81) v1(37.71,1.31) v1(38.18,5.06) v1(38.18,3.56) v1(38.18,2.13) v1(43.62,58.36) v1(43.62,57.56) v1(43.62,40.88) v1(43.62,40.08) v1(47.5,63.56) v1(110.78,30.78) v1(110.78,29.98) v1(110.78,29.13) v1(111.63,30.78) v1(111.63,29.98) v1(111.63,29.13) v1(112.48,30.83) v1(112.48,29.98) v1(112.48,29.13)
